# Altium PCB PCB_UDC_PlacaControle_V2.0.PcbDoc (part 4 of 7)
Units mm, origin at the board's own origin, x right, y up, seen from the top; angles counter-clockwise.
Board outline 161.76 x 100.25 mm, 6 copper layers (Top Layer, GND, Signal 1, Signal 2, VCC, Bottom Layer); 548 components, 515 nets, 2193 pads, 1225 vias.
Unrouted connection lines stored in the file: 7.
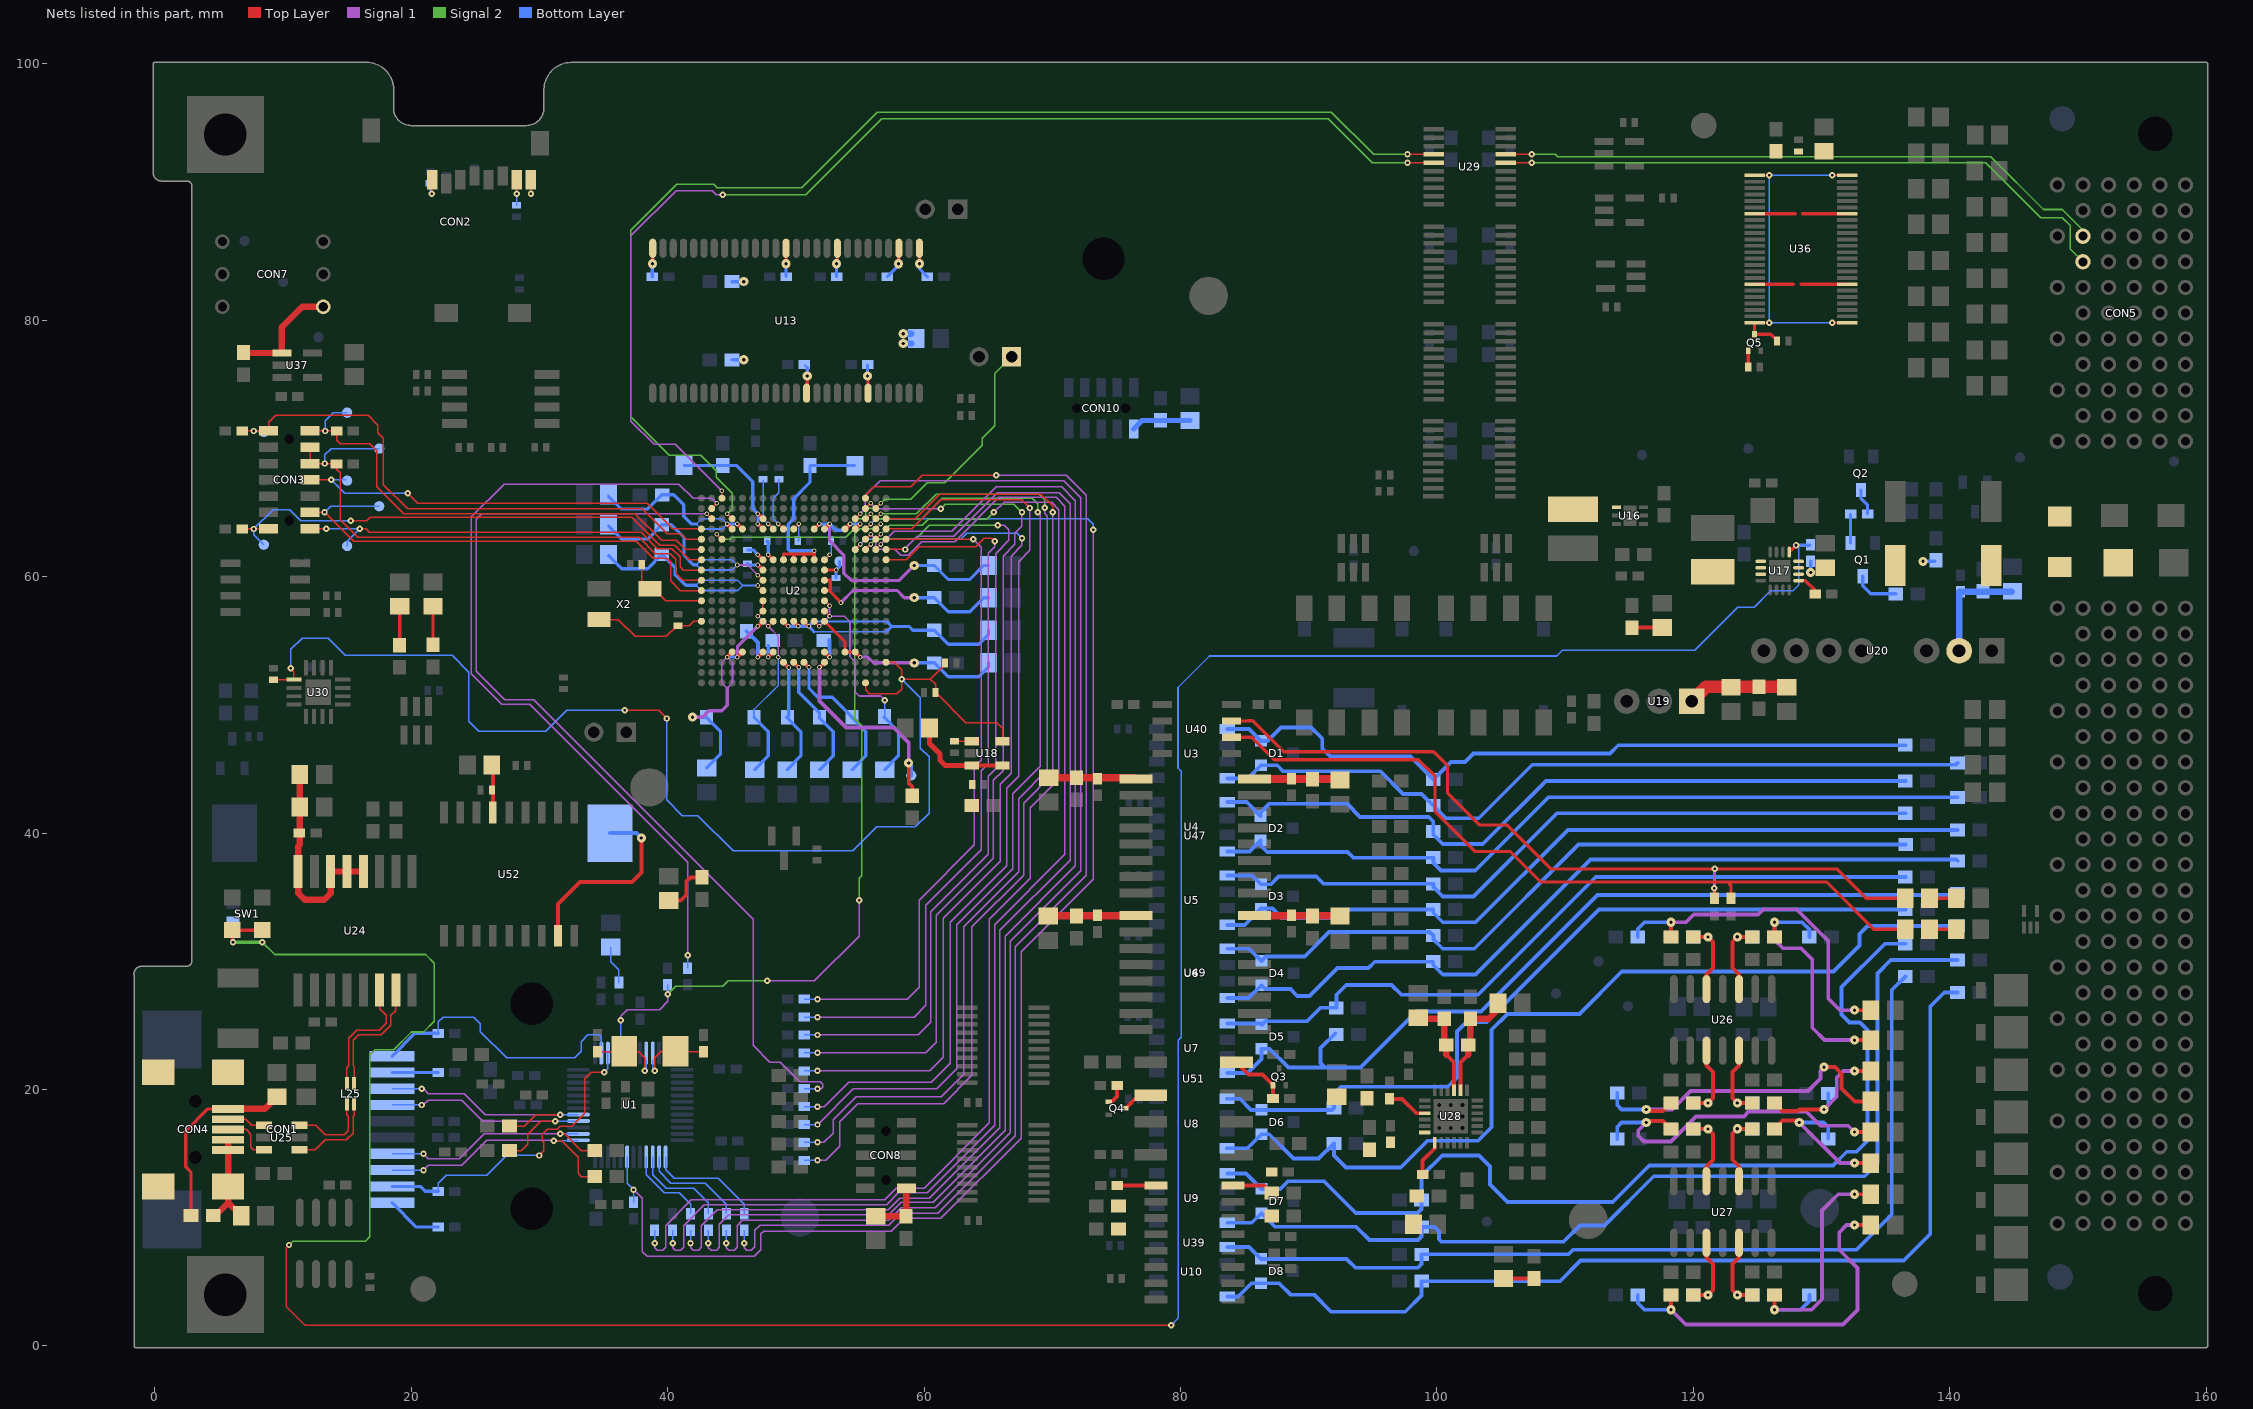
[diagram p8: the nets of this part, all layers, seen from the top]

## Via types
v1: diameter 0.711, hole 0.254, Top Layer to Bottom Layer, tented both sides, 600 vias
v2: diameter 0.5, hole 0.2, Top Layer to Bottom Layer, tented both sides, 404 vias
v3: diameter 0.36, hole 0.2, Top Layer to Bottom Layer, tented both sides, 212 vias
v4: diameter 0.5, hole 0.2, Top Layer to Bottom Layer, tented top, 5 vias
v5: diameter 0.5, hole 0.254, Top Layer to Bottom Layer, tented both sides, 2 vias
v6: diameter 0.5, hole 0.2, Top Layer to Bottom Layer, 2 vias

## Nets (pads, with @x,y where several pads share a name; then routed paths per layer and width w, separated by ;. In a path a pad name is that pad's centre, name@x,y a point inside that pad or via, vN(x,y) a via of type N, cw(c..) or ccw(c..) an arc to the next point about the centre after c; other vN are vias at no path point) (continued)
MCBSP_MDX: U2.U16 U29.4 | length 95.6
  Top Layer w0.102: v3(44.642,64.921) U2.U16@45.035,64.528 ; v2(97.714,92.948) U29.4@99.765,92.948
  Signal 2 w0.102: v3(44.642,64.921) 45.034,65.314 45.034,66.523 43.79,67.767 43.79,68.275 42.596,69.469 40.107,69.469 37.109,72.466 37.109,87.046 40.691,90.627 43.588,90.627 43.867,90.348 50.47,90.348 56.363,96.241 91.77,96.241 95.062,92.948 v2(97.714,92.948)
MCBSP_MDX_5V: CON5.E3 U29.17 | length 47.9
  Top Layer w0.102: U29.17@105.365,92.948 v2(107.417,92.948)
  Signal 2 w0.127: v2(107.417,92.948) 109.239,92.948 109.432,92.756 143.21,92.756 147.32,88.646 148.793,88.646 150.4,87.039 CON5.E3@150.4,86.572
MCBSP_MFSX: U2.W17 U29.5 | length 92.5
  Top Layer w0.102: U2.W17@44.235,66.128 v3(44.235,66.7) ; v2(97.714,92.298) U29.5@99.765,92.298
  Signal 1 w0.102: v3(44.235,66.7) 40.603,70.333 38.938,70.333 37.135,72.136 37.135,86.589 40.665,90.119 43.475,90.119 43.779,89.814 v2(44.298,89.814)
  Signal 2 w0.102: v2(44.298,89.814) 50.786,89.814 56.704,95.733 91.542,95.733 94.976,92.298 v2(97.714,92.298)
MCBSP_MFSX_5V: CON5.E4 U29.16 | length 49.3
  Top Layer w0.102: U29.16@105.365,92.298 v2(107.417,92.298)
  Signal 2 w0.127: v2(107.417,92.298) 142.828,92.298 147.115,88.011 148.793,88.011 149.403,87.401 149.403,85.573 150.403,84.572 CON5.E4@150.4,84.572
MCU_*TRST: CON3.2 R82.1 TP16.1 U2.N19 | length 41
  Top Layer w0.102: R82.1@6.807,63.729 v2(7.722,63.729) CON3.2@8.85,63.729 ; v2(15.291,64.364) 16.535,64.364 16.815,64.643 37.186,64.643 39.373,62.456 40.543,62.456 41.671,61.328 U2.N19@42.635,61.328
  Bottom Layer w0.102: TP16.1@8.5,62.5 7.722,63.278 v2(7.722,63.729) 9.22,65.227 10.516,65.227 11.379,64.364 v2(15.291,64.364)
MCU_ARSTN: C104.2 R77.1 R121.2 U2.A3 U2.C1 U18.5 U30.1 | length 100.2
  Top Layer w0.102: R121.2@9.271,51.978 U30.1@10.851,51.978 10.851,52.598 v2(10.592,52.857) ; v2(36.652,49.581) 39.294,49.581 v2(39.929,48.946) ; U2.A3@55.435,51.728 55.435,51.169 55.728,50.876 57.887,50.876 58.242,51.232 v2@58.242,52.019 ; U2.C1@57.035,53.328 57.67,53.328 58.242,52.756 v2@58.242,52.019 ; C104.2@61.635,53.289 61.635,53.177 60.477,52.019 ; U18.5@66.122,47.178 66.122,48.178 65.684,48.616 63.259,48.616 R77.1@60.897,50.978 60.897,51.6 60.477,52.019 ; v2@58.242,52.019 v2(58.268,52.019) 60.477,52.019
  Bottom Layer w0.102: v2(10.592,52.857) 10.592,54.331 11.481,55.22 13.513,55.22 14.859,53.873 23.178,53.873 24.486,52.566 24.486,48.717 25.248,47.955 30.505,47.955 32.131,49.581 v2(36.652,49.581) ; v2@40.056,48.946 39.929,48.819 39.929,42.596 41.148,41.377 42.367,41.377 45.11,38.633 54.458,38.633 56.312,40.488 59.309,40.488 60.389,41.567 60.389,45.961 59.715,46.634 59.715,50.571 v2(58.268,52.019)
MCU_EMU0: CON3.13 R84.1 TP11.1 U2.P19 | length 39.2
  Top Layer w0.102: CON3.13@12.105,71.374 v2(13.284,71.374) R84.1@14.173,71.374 14.173,70.658 14.448,70.383 16.764,70.383 17.323,69.825 17.323,67.017 19.417,64.922 37.44,64.922 39.522,62.84 40.654,62.84 41.366,62.128 U2.P19@42.635,62.128
  Bottom Layer w0.102: v2(13.284,71.374) 13.284,72.187 13.897,72.8 TP11.1@15,72.8
MCU_EMU1: CON3.14 R85.1 TP17.1 U2.R19 | length 43.9
  Top Layer w0.102: R85.1@6.807,71.374 v2(7.722,71.374) CON3.14@8.875,71.374 8.875,72.045 9.423,72.593 16.637,72.593 17.399,71.831 17.399,71.247 17.831,70.815 17.831,67.183 19.71,65.303 38.024,65.303 39.98,63.348 41.021,63.348 41.441,62.928 U2.R19@42.635,62.928
  Bottom Layer w0.102: v2(7.722,71.374) TP17.1@8.426,71.374
MCU_GPIO76_ENET: R6.1 U2.U4 | length 100.1
  Top Layer w0.102: U2.U4@54.635,64.528 v3(55.028,64.921)
  Signal 1 w0.102: v2(44.577,8.001) 44.577,7.671 44.78,7.468 45.212,7.468 45.428,7.684 45.428,9.396 45.837,9.804 57.237,9.804 58.203,10.77 60.877,10.77 66.726,16.618 66.726,31.572 72.212,37.059 72.212,66.167 70.891,67.488 56.566,67.488 55.423,66.345 55.423,65.316 v3(55.028,64.921)
  Bottom Layer w0.102: v2(44.577,8.001) R6.1@44.577,9.017
MCU_GPIO77_ENET: R5.1 U2.W3 | length 98
  Top Layer w0.102: U2.W3@55.435,66.128 55.435,66.357 56.083,67.005 58.953,67.005 59.868,67.92 v2(65.634,67.92)
  Signal 1 w0.102: v2(45.974,8.001) 45.974,7.645 46.152,7.468 46.533,7.468 46.812,7.747 46.812,9.035 47.205,9.428 57.256,9.428 58.191,10.363 61.055,10.363 67.107,16.415 67.107,31.14 72.669,36.703 72.669,66.345 71.095,67.92 v2(65.634,67.92)
  Bottom Layer w0.102: v2(45.974,8.001) R5.1@45.974,9.017
MCU_GPIO78_ENET: TP1.1 U2.R17 U2.V2 | length 33.5
  Top Layer w0.102: v3(43.842,63.321) U2.R17@44.235,62.928 ; U2.V2@56.235,65.328 v3(56.628,65.721)
  Signal 2 w0.102: v3(43.842,63.321) 44.235,62.928 44.882,62.928 45.047,63.094 53.899,63.094 54.635,63.83 54.635,64.317 54.835,64.516 55.296,64.516 55.435,64.655 55.435,65.188 55.6,65.354 56.261,65.354 v3(56.628,65.721) 56.947,66.04 58.953,66.04 60.249,67.335 61.62,67.335 64.541,70.256 64.541,70.79 65.532,71.78 65.532,75.866
  Signal 2 w0.127: 65.532,75.866 TP1.1@66.827,77.161
MCU_GPIO79_ENET: R20.1 U2.V3 | length 67.7
  Top Layer w0.102: U2.V3@55.408,65.303 v3@55.801,65.697
  Signal 1 w0.102: v2(51.689,22.86) 60.147,22.86 60.96,23.673 60.96,33.604 65.405,38.049 65.405,44.12 66.167,44.882 66.167,61.62 67.081,62.535 67.081,63.398 67.64,63.957 v2(67.64,65.024) ; v3(55.828,65.721) 56.246,65.303 v2(61.316,65.303)
  Signal 2 w0.102: v2(61.316,65.303) 61.671,65.659 67.005,65.659 v2(67.64,65.024)
  Bottom Layer w0.102: R20.1@50.673,22.86 v2(51.689,22.86)
MCU_GPIO80_ENET: R19.1 U2.U1 | length 78.1
  Top Layer w0.102: U2.U1@57.035,64.528 59.296,64.528 61.214,66.446 69.113,66.446 70.028,65.532 v2(70.028,65.024)
  Signal 1 w0.102: v2(51.689,14.478) 52.324,14.478 53.442,15.596 53.442,17.501 54.839,18.898 61.519,18.898 63.729,21.107 63.729,32.69 67.767,36.728 67.767,42.342 70.053,44.628 v2@70.053,65.024
  Bottom Layer w0.102: R19.1@50.673,14.478 v2(51.689,14.478)
MCU_GPIO81_ENET: R18.1 U2.U2 | length 77
  Top Layer w0.102: U2.U2@56.235,64.528 v3(56.628,64.921)
  Signal 1 w0.102: v2(51.689,15.875) 52.172,15.875 52.908,16.612 52.908,17.628 54.712,19.431 61.341,19.431 63.094,21.184 63.094,32.69 67.386,36.982 67.386,42.697 69.621,44.933 69.621,64.738 69.418,64.942 v2(69.418,65.38)
  Signal 2 w0.102: v3(56.628,64.921) 59.409,64.921 60.935,66.446 68.986,66.446 69.418,66.015 v2(69.418,65.38)
  Bottom Layer w0.102: R18.1@50.673,15.875 v2(51.689,15.875)
MCU_GPIO82_ENET: R17.1 U2.U3 | length 75.1
  Top Layer w0.102: U2.U3@55.435,64.528 v3(55.828,64.921)
  Signal 1 w0.102: v2(51.689,17.272) 54.47,20.053 60.973,20.053 62.535,21.615 62.535,32.842 66.904,37.211 66.904,43.078 69.063,45.237 69.063,64.821 v2(68.859,65.024)
  Signal 2 w0.102: v3(55.828,64.921) 56.233,64.516 59.817,64.516 61.417,66.116 68.428,66.116 68.859,65.684 v2(68.859,65.024)
  Bottom Layer w0.102: R17.1@50.673,17.272 v2(51.689,17.272)
MCU_GPIO83_ENET: R15.1 U2.T1 | length 71.1
  Top Layer w0.102: U2.T1@57.035,63.728 59.042,63.728 61.303,65.989 67.627,65.989 v2(68.25,65.367)
  Signal 1 w0.102: v2(51.689,18.669) 52.222,18.669 54.127,20.574 60.554,20.574 62.027,22.047 62.027,33.045 66.446,37.465 66.446,43.51 67.386,44.45 67.386,61.189 68.25,62.052 v2(68.25,65.367)
  Bottom Layer w0.102: R15.1@50.673,18.669 v2(51.689,18.669)
MCU_GPIO84_ENET: R14.1 U2.U18 | length 78.4
  Top Layer w0.102: v3(43.042,64.921) U2.U18@43.435,64.528
  Signal 1 w0.102: v3(43.042,64.921) 25.5,64.921 25.07,64.491 25.07,52.629 27.305,50.394 29.566,50.394 46.685,33.274 46.685,23.444 47.981,22.149 48.768,22.149 50.309,20.608 51.909,20.608 52.095,20.422 52.095,20.193 51.968,20.066 v2(51.689,20.066)
  Bottom Layer w0.102: R14.1@50.673,20.066 v2(51.689,20.066)
MCU_GPIO85_ENET: R37.2 U1.29 U2.T2 | length 59.7
  Top Layer w0.102: U2.T2@56.235,63.728 v3(56.628,64.121)
  Signal 1 w0.102: v2(36.334,25.4) 36.334,25.717 36.855,26.238 39.37,26.238 40.005,26.873 v2(40.005,27.432) ; v2(47.777,28.473) 51.435,28.473 54.94,31.979 v2(54.94,34.773)
  Signal 2 w0.102: v2(40.005,27.432) 40.615,28.042 44.298,28.042 44.729,28.473 v2(47.777,28.473) ; v2(54.94,34.773) 54.94,36.474 55.143,36.678 55.143,48.362 54.585,48.92 54.585,63.348 54.976,63.739 56.246,63.739 v3(56.628,64.121)
  Bottom Layer w0.102: U1.29@36.334,22.846 v2(36.334,25.4) ; v2(40.005,27.432) R37.2@40.005,28.164
MCU_GPIO86_ENET: R36.2 U1.7 U2.T3 | length 111.6
  Top Layer w0.102: U2.T3@55.435,63.728 v3(55.828,64.121)
  Signal 1 w0.102: v2(37.338,12.192) 38.024,11.506 38.024,7.366 38.405,6.985 46.761,6.985 47.269,7.493 47.269,8.738 47.498,8.966 57.455,8.966 58.445,9.957 61.309,9.957 67.564,16.212 67.564,30.759 73.203,36.398 v2@73.203,63.729
  Bottom Layer w0.102: U1.7@36.834,14.746 36.834,12.696 v2(37.338,12.192) R36.2@37.338,11.206 ; v3(55.828,64.121) 56.223,64.516 72.771,64.516 73.203,64.084 v2(73.203,63.678)
MCU_GPIO87_ENET: R21.1 U2.V18 | length 64.9
  Top Layer w0.102: U2.V18@43.435,65.328 v3(43.828,65.721)
  Signal 1 w0.102: v2(41.554,30.48) 41.554,37.744 29.261,50.038 27.076,50.038 24.689,52.426 24.689,64.668 27.254,67.234 40.869,67.234 41.986,66.116 43.433,66.116 v3(43.828,65.721)
  Bottom Layer w0.102: R21.1@41.554,29.464 v2(41.554,30.48)
MCU_GPIO88_ENET: R22.1 U2.R1 | length 53.3
  Top Layer w0.102: U2.R1@57.035,62.928 v2(63.83,62.928)
  Signal 1 w0.102: v2(51.689,27.051) 58.674,27.051 59.614,27.991 59.614,34.773 63.932,39.091 63.932,45.161 64.465,45.694 64.465,62.294 v2(63.83,62.928)
  Bottom Layer w0.102: R22.1@50.673,27.051 v2(51.689,27.051)
MCU_GPIO89_ENET: R10.1 U2.R2 | length 98.4
  Top Layer w0.102: U2.R2@56.235,62.928 v3(56.628,63.321)
  Signal 1 w0.102: v2(38.989,8.001) 38.989,7.671 39.192,7.468 39.624,7.468 39.84,7.684 39.84,9.396 41.849,11.405 56.934,11.405 57.848,12.319 60.014,12.319 65.1,17.406 65.1,33.299 68.275,36.474 68.275,41.986 70.51,44.221 70.51,65.246 69.945,65.811 66.243,65.811 v2@65.456,65.024
  Signal 2 w0.102: v3(56.628,63.321) 57.34,64.033 59.868,64.033 60.325,64.491 64.897,64.491 v2(65.43,65.024)
  Bottom Layer w0.102: v2(38.989,8.001) R10.1@38.989,9.017
MCU_GPIO90_ENET: R9.1 U2.R3 | length 101.1
  Top Layer w0.102: U2.R3@55.435,62.928 v3(55.828,63.321)
  Signal 1 w0.102: v2(40.386,8.001) 40.386,7.671 40.589,7.468 41.021,7.468 41.237,7.684 41.237,9.396 42.865,11.024 57.092,11.024 58.002,11.934 60.238,11.934 65.507,17.202 65.507,32.868 70.993,38.354 70.993,65.507 70.307,66.192 65.837,66.192 62.382,62.738 59.817,62.738 58.75,61.671 58.166,61.671 57.709,62.128 56.465,62.128 56.236,62.357 56.236,62.914 v3(55.828,63.321)
  Bottom Layer w0.102: v2(40.386,8.001) R9.1@40.386,9.017
MCU_GPIO91_ENET: R8.1 U2.P1 | length 98.1
  Top Layer w0.102: U2.P1@57.035,62.128 v2(58.522,62.128)
  Signal 1 w0.102: v2(41.783,8.001) 41.783,7.671 41.986,7.468 42.418,7.468 42.634,7.684 42.634,9.396 43.881,10.643 57.214,10.643 58.103,11.532 60.42,11.532 65.913,17.025 65.913,32.41 71.399,37.897 71.399,65.684 70.536,66.548 65.71,66.548 62.332,63.17 59.461,63.17 58.522,62.23 v2(58.522,62.128)
  Bottom Layer w0.102: v2(41.783,8.001) R8.1@41.783,9.017
MCU_GPIO92_ENET: R7.1 U2.P2 | length 98.9
  Top Layer w0.102: U2.P2@56.235,62.128 v3(56.628,62.521)
  Signal 1 w0.102: v2(43.18,8.001) 43.18,7.671 43.383,7.468 43.815,7.468 44.031,7.684 44.031,9.487 44.78,10.236 57.238,10.236 58.203,11.201 60.699,11.201 66.319,16.821 66.319,31.953 71.806,37.44 71.806,65.937 70.738,67.005 65.634,67.005 62.179,63.551 57.658,63.551 v3(56.628,62.521)
  Bottom Layer w0.102: v2(43.18,8.001) R7.1@43.18,9.017
MCU_GPIO93_ENET: R12.1 U2.P3 | length 63.3
  Top Layer w0.102: U2.P3@55.435,62.128 v3(55.828,62.521)
  Signal 1 w0.102: v2(51.689,24.257) 59.538,24.257 60.528,25.248 60.528,33.884 64.999,38.354 64.999,44.45 65.583,45.034 65.583,61.798 66.624,62.84 66.624,63.652 66.256,64.021 v2@65.773,64.021
  Signal 2 w0.102: v3(55.828,62.521) 56.248,62.941 59.334,62.941 60.414,64.021 v2@65.773,64.021
  Bottom Layer w0.102: R12.1@50.673,24.257 v2(51.689,24.257)
  other v2: 65.761,64.033
MCU_GPIO94_ENET: R13.1 U2.P4 | length 68
  Top Layer w0.102: U2.P4@54.635,62.128 v3(55.028,62.521)
  Signal 1 w0.102: v2(51.689,21.463) 60.427,21.463 61.493,22.53 61.493,33.376 65.938,37.821 65.938,43.815 66.802,44.679 66.802,61.62 67.64,62.459 v2(67.64,63.017)
  Bottom Layer w0.102: R13.1@50.673,21.463 v2(51.689,21.463) ; v3(55.028,62.521) 55.449,62.942 62.866,62.942 63.322,63.398 67.259,63.398 v2(67.64,63.017)
MCU_GPIO95_ENET: R11.1 U2.N1 | length 57.5
  Top Layer w0.102: U2.N1@57.035,61.328 58.61,61.328 59.614,62.332 64.033,62.332 64.694,62.992 65.278,62.992 v2(65.507,62.763)
  Signal 1 w0.102: v2(51.689,25.654) 59.233,25.654 60.147,26.568 60.147,34.392 64.465,38.71 64.465,44.882 64.999,45.415 64.999,61.824 65.507,62.332 v2(65.507,62.763)
  Bottom Layer w0.102: R11.1@50.673,25.654 v2(51.689,25.654)
MCU_TCK: CON3.9 CON3.11 R83.2 TP12.1 U2.L19 | length 43.7
  Top Layer w0.102: CON3.11@12.105,70.104 CON3.9@12.105,68.834 v2(13.259,68.834) 14.143,68.834 14.143,68.402 14.448,68.097 14.448,64.431 15.81,63.068 37.77,63.068 39.04,61.798 40.208,61.798 40.64,61.366 40.64,60.273 41.185,59.728 U2.L19@42.635,59.728
  Bottom Layer w0.102: v2(13.259,68.834) 13.259,69.517 13.741,70 TP12.1@17.5,70
MCU_TDI: CON3.3 TP14.1 U2.K19 | length 38.4
  Top Layer w0.102: CON3.3@12.105,65.024 v2(13.233,65.024) 13.259,65.024 15.519,62.763 37.541,62.763 38.862,61.443 39.929,61.443 40.234,61.138 40.234,59.689 40.995,58.928 U2.K19@42.635,58.928
  Bottom Layer w0.102: v2(13.233,65.024) 13.709,65.5 TP14.1@17.5,65.5
MCU_TDO: CON3.7 TP13.1 U2.T19 | length 33.3
  Top Layer w0.102: CON3.7@12.105,67.564 v2(13.767,67.564) ; v2(19.71,66.523) 20.511,65.722 38.393,65.722 40.387,63.728 U2.T19@42.635,63.728
  Bottom Layer w0.102: TP13.1@14.936,67.564 v2(13.767,67.564) 14.808,66.523 v2(19.71,66.523)
MCU_TMS: CON3.1 TP15.1 U2.M19 | length 34.1
  Top Layer w0.102: CON3.1@12.105,63.754 v2(13.36,63.754) ; v2@15.977,63.703 16.002,63.729 16.485,63.729 16.739,63.475 37.922,63.475 39.198,62.199 40.316,62.199 40.97,61.544 40.97,60.782 41.224,60.528 U2.M19@42.635,60.528
  Bottom Layer w0.102: v2(13.36,63.754) v2(15.977,63.754) 15,62.777 TP15.1@15,62.4
MCU_X1: C106.2 U2.J19 X2.1 | length 6.7
  Top Layer w0.102: C106.2@37.984,60.96 37.984,59.501 38.421,59.064 X2.1@38.633,59.064 38.929,59.064 39.865,58.128 U2.J19@42.635,58.128
MCU_X2: C107.2 U2.G19 X2.3 | length 9
  Top Layer w0.102: X2.3@34.633,56.664 36.148,56.664 37.465,55.347 39.903,55.347 40.731,56.174 C107.2@40.818,56.174 41.67,56.174 42.025,56.528 U2.G19@42.635,56.528
NetBT1_+: BT1.+ U52.8 | length 15.3
  Top Layer w0.3: U52.8@31.445,32.005 31.445,34.468 33.172,36.195 37.211,36.195 37.948,36.932 v1(37.948,39.624)
  Bottom Layer w0.3: BT1.+@35.509,40.005 37.567,40.005 v1(37.948,39.624)
NetC5_2: C5.2 U1.33 X1.1 | length 5.8
  Top Layer w0.102: C5.2@34.544,22.957 37.749,22.957 38.227,22.479 v2(38.227,21.463)
  Bottom Layer w0.102: v2(38.227,21.463) 38.334,21.57 U1.33@38.334,22.338
NetC6_2: C6.2 U1.34 X1.2 | length 6
  Top Layer w0.102: v2(38.989,21.463) 38.989,22.479 39.497,22.987 X1.2@40.608,22.987 40.638,22.957 C6.2@42.799,22.957
  Bottom Layer w0.102: U1.34@38.834,22.338 38.834,21.618 v2(38.989,21.463)
NetC19_2: C19.2 D1.2 R39.1 U3.1 | length 57
  Bottom Layer w0.3: U3.1@83.649,48.133 85.341,48.133 D1.2@86.279,47.194 86.797,47.194 87.849,48.247 90.183,48.247 91.059,47.371 91.059,46.609 91.694,45.974 97.933,45.974 C19.2@99.727,44.18 101.095,45.547 102.189,45.547 102.854,46.212 113.505,46.212 114.157,46.863 R39.1@136.551,46.863
NetC20_2: C20.2 D2.2 R40.1 U4.1 | length 57.8
  Bottom Layer w0.3: U4.1@83.649,42.418 85.171,42.418 D2.2@86.253,41.336 86.253,41.594 86.959,42.3 92.98,42.3 94.018,41.262 99.365,41.262 99.716,40.912 C20.2@99.716,40.147 99.716,39.889 100.457,39.148 103.587,39.148 108.517,44.078 R40.1@136.551,44.078
NetC21_2: C21.2 D1.1 R41.1 U3.4 | length 60.9
  Bottom Layer w0.3: U3.4@83.649,44.278 85.263,44.278 D1.1@86.279,45.294 87.548,45.294 88.011,44.831 95.602,44.831 97.367,43.066 98.814,43.066 C21.2@99.716,42.164 100.716,41.164 103.271,41.164 107.445,45.339 140.488,45.339 R41.1@140.615,45.466
NetC22_2: C22.2 D2.1 R42.1 U4.4 | length 61.1
  Bottom Layer w0.3: U4.4@83.649,38.563 85.38,38.563 D2.1@86.253,39.436 86.253,39.061 86.773,38.541 87.849,38.541 93.031,38.541 93.488,38.084 C22.2@99.727,38.084 99.727,37.685 100.328,37.084 102.997,37.084 108.712,42.799 R42.1@140.615,42.799
NetC25_2: C25.2 D3.2 R43.1 U5.1 | length 56.9
  Bottom Layer w0.3: U5.1@83.649,36.703 85.591,36.703 D3.2@86.279,36.015 87.069,36.015 87.662,36.608 90.592,36.608 91.149,36.052 C25.2@99.727,36.052 99.727,35.794 100.457,35.065 102.87,35.065 109.36,41.555 R43.1@136.551,41.555
NetC26_2: C26.2 D4.2 R44.1 U6.1 | length 58.3
  Bottom Layer w0.3: U6.1@83.649,30.988 85.359,30.988 D4.2@86.314,30.033 86.664,30.383 89.692,30.383 91.599,32.29 99.441,32.29 C26.2@99.727,32.004 99.727,31.718 100.457,30.988 102.915,30.988 111.043,39.116 R44.1@136.577,39.116
NetC27_2: C27.2 D3.1 R45.1 U5.4 | length 61.6
  Bottom Layer w0.3: U5.4@83.649,32.848 85.013,32.848 D3.1@86.279,34.115 87.17,34.115 87.896,33.389 92.493,33.389 93.139,34.036 C27.2@99.716,34.036 99.716,33.791 100.457,33.05 103.027,33.05 110.236,40.259 R45.1@140.615,40.259
NetC28_2: C28.2 D4.1 R46.1 U6.4 | length 63.2
  Bottom Layer w0.3: U6.4@83.649,27.133 85.314,27.133 D4.1@86.314,28.133 86.613,27.834 88.586,27.834 89.115,27.305 90.072,27.305 92.248,29.482 94.672,29.482 95.162,29.972 C28.2@99.721,29.972 99.721,29.716 100.457,28.981 103.004,28.981 111.98,37.957 140.505,37.957 R46.1@140.615,37.846
NetC31_2: C31.2 D5.2 R47.1 U7.1 | length 58.8
  Bottom Layer w0.3: U7.1@83.649,25.146 D5.2@86.248,25.146 ; D5.2@86.314,25.08 86.391,25.08 86.646,25.335 89.888,25.335 90.932,26.379 C31.2@92.167,26.379 92.167,27.397 92.934,28.164 96.467,28.164 97.233,27.397 103.216,27.397 112.395,36.576 R47.1@136.551,36.576
NetC32_2: C32.2 D6.2 R48.1 U8.1 | length 62.5
  Bottom Layer w0.3: U8.1@83.636,19.279 84.647,19.279 85.507,18.419 D6.2@86.314,18.419 91.847,18.419 C32.2@91.974,18.546 91.974,19.664 92.534,20.223 100.848,20.223 101.58,20.955 101.58,24.542 102.31,25.273 103.886,25.273 112.649,34.036 136.538,34.036 R48.1@136.551,34.05
NetC33_2: C33.2 D5.1 R49.1 U7.4 | length 67.7
  Bottom Layer w0.3: U7.4@83.649,21.291 85.23,21.291 86.314,22.375 D5.1@86.314,23.18 86.959,23.18 88.422,21.717 90.21,21.717 94.047,21.717 98.425,26.095 103.455,26.095 112.539,35.179 140.488,35.179 R49.1@140.615,35.306 ; 91.288,21.717 90.932,22.073 90.932,23.241 C33.2@92.075,24.384
NetC34_2: C34.2 D6.1 R50.1 U8.4 | length 72.9
  Bottom Layer w0.3: U8.4@83.636,15.424 85.219,15.424 D6.1@86.314,16.519 86.923,16.519 88.828,14.614 90.782,14.614 C34.2@91.974,15.806 91.974,14.846 92.909,13.912 97.181,13.912 99.271,16.002 103.204,16.002 104.267,17.065 104.267,24.668 105.501,25.902 111.119,25.902 114.427,29.21 130.945,29.21 132.969,31.234 132.969,32.131 133.604,32.766 R50.1@140.615,32.766
NetC37_2: C37.2 D7.2 R51.1 U9.1 | length 79.1
  Bottom Layer w0.3: U9.1@83.649,13.462 85.105,13.462 D7.2@86.314,12.253 87.788,12.253 88.383,12.848 91.19,12.848 93.678,10.36 98.496,10.36 98.808,10.672 C37.2@98.808,11.386 98.808,13.244 100.423,14.859 103.285,14.859 104.14,14.004 104.14,12.598 105.501,11.238 113.727,11.238 116.571,14.082 130.913,14.082 131.978,15.147 132.749,15.147 133.604,16.002 133.604,24.652 133.019,25.237 132.201,25.237 131.572,25.866 131.572,27.991 134.95,31.369 R51.1@136.548,31.369
NetC38_2: C38.2 D8.2 R52.1 U10.1 | length 73.7
  Bottom Layer w0.3: U10.1@83.649,7.721 85.351,7.721 D8.2@86.279,6.792 92.958,6.792 93.654,6.096 98.528,6.096 98.816,6.384 C38.2@98.816,7.149 110.273,7.149 110.625,7.501 132.723,7.501 135.482,10.26 135.482,27.763 R52.1@136.548,28.829
NetC39_2: C39.2 D7.1 R53.1 U9.4 | length 77.6
  Bottom Layer w0.3: U9.4@83.649,9.607 85.568,9.607 D7.1@86.314,10.353 87.366,9.301 93.702,9.301 94.748,8.255 98.528,8.255 98.816,8.543 C39.2@98.816,9.284 99.838,9.284 100.181,8.941 100.181,8.32 100.373,8.128 109.89,8.128 111.158,9.396 113.072,9.396 116.919,13.242 133.384,13.242 134.366,14.224 134.366,29.058 135.407,30.099 R53.1@140.615,30.099
NetC40_2: C40.2 D8.1 R54.1 U10.4 | length 79.7
  Bottom Layer w0.3: U10.4@83.649,3.866 84.511,3.866 85.537,4.892 D8.1@86.279,4.892 87.691,4.892 88.583,4 90.424,4 91.757,2.667 97.536,2.667 98.816,3.947 C40.2@98.816,5.049 109.596,5.049 111.218,6.671 136.418,6.671 138.488,8.741 138.488,26.474 139.586,27.572 R54.1@140.615,27.572